# Altium PCB node24.PcbDoc (part 5 of 10) (continued)
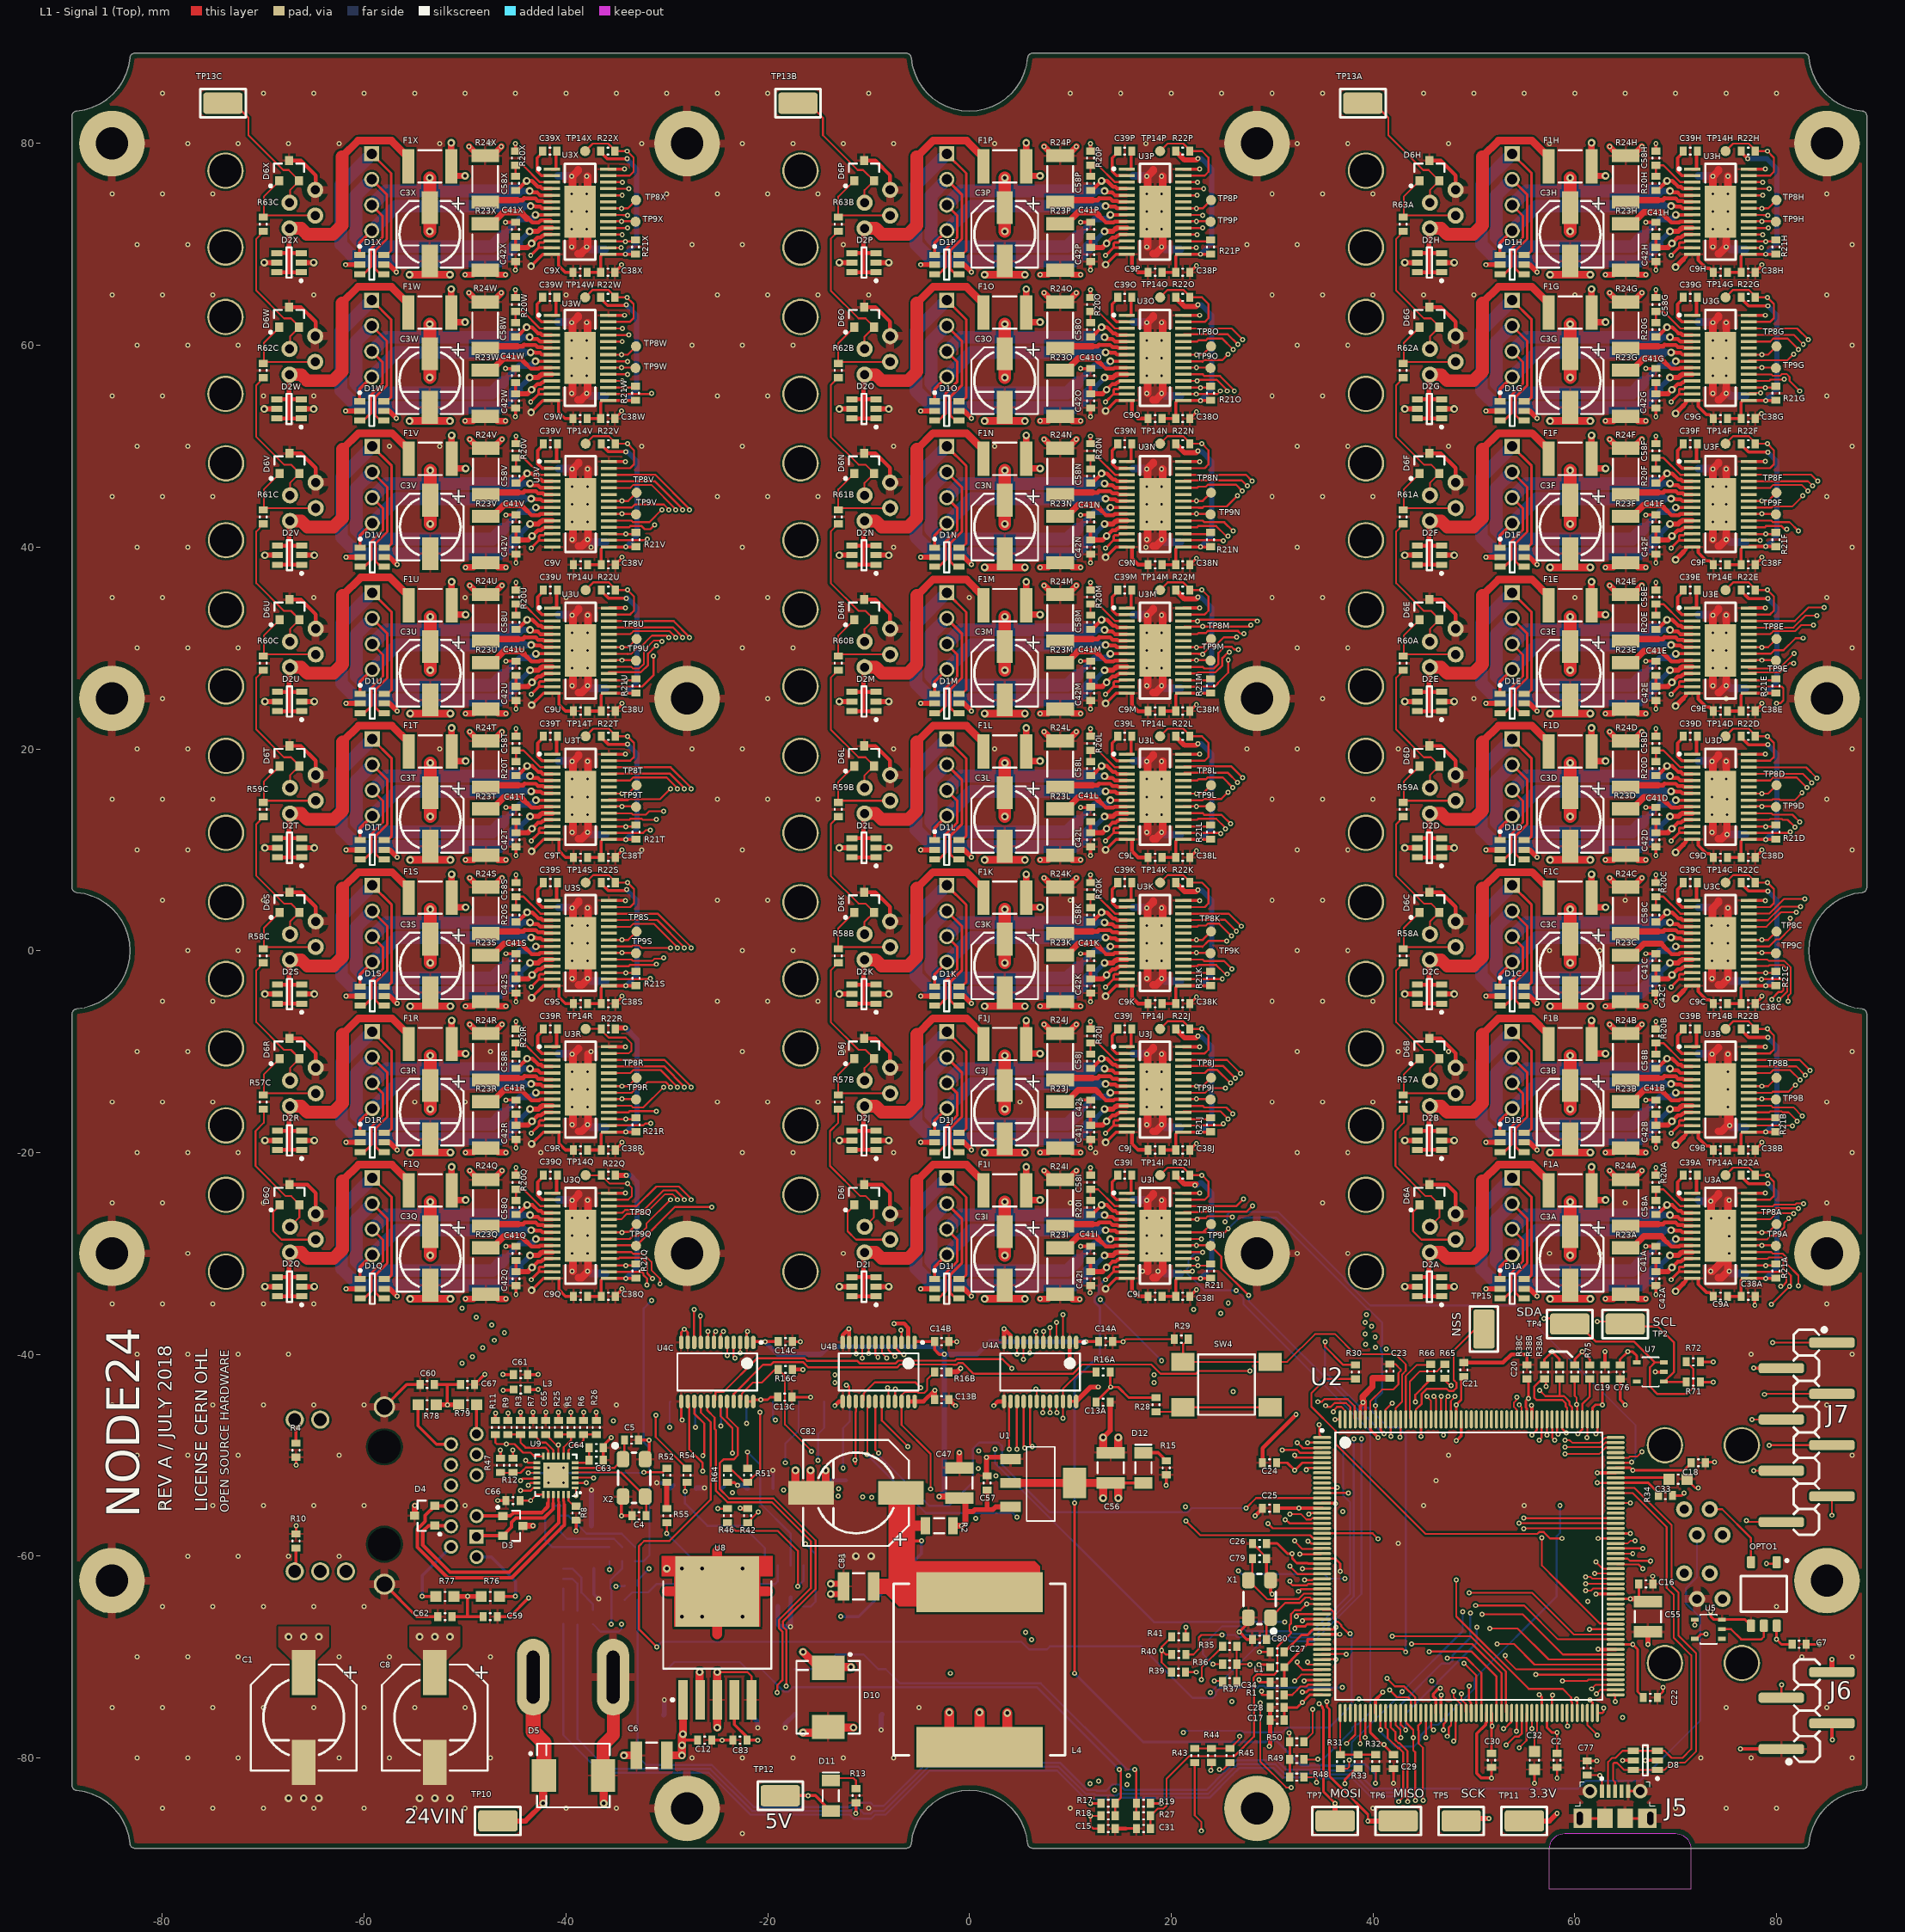
[diagram p0: L1 - Signal 1 (Top) view]
## Nets (pads, with @x,y where several pads share a name; then routed paths per layer and width w, separated by ;. In a path a pad name is that pad's centre, name@x,y a point inside that pad or via, vN(x,y) a via of type N, cw(c..) or ccw(c..) an arc to the next point about the centre after c; other vN are vias at no path point) (continued)
  L1 - Signal 1 (Top) w0.6: D4.3@-55,-56 v1(-55,-55) ; D3.3@-44.25,-57 v1(-43.25,-57) ; v2(-13.75,-63.75) C81.2@-12.75,-63.75 ; v2(-13.75,-62.75) C81.2@-12.75,-62.75 ; C47.2@-1,-51.25 v1(-1,-49.75)
  L1 - Signal 1 (Top) w0.635: v1(-50,52.5) -49.2,52.5 -48.75,52.95 R23W.2@-48,52.95 -47.25,52.95 -46.8,52.5 v1(-46,52.5) ; v1(-50,67) -49.2,67 -48.75,67.45 R23X.2@-48,67.45 -47.25,67.45 -46.8,67 v1(-46,67) ; v1(-49.95,-34.5) -49.15,-34.5 -48.7,-34.05 R23Q.2@-47.95,-34.05 -47.2,-34.05 -46.75,-34.5 v1(-45.95,-34.5) ; v1(-49.95,-20) -49.15,-20 -48.7,-19.55 R23R.2@-47.95,-19.55 -47.2,-19.55 -46.75,-20 v1(-45.95,-20) ; v1(-49.95,-5.5) -49.15,-5.5 -48.7,-5.05 R23S.2@-47.95,-5.05 -47.2,-5.05 -46.75,-5.5 v1(-45.95,-5.5) ; v1(-49.95,9) -49.15,9 -48.7,9.45 R23T.2@-47.95,9.45 -47.2,9.45 -46.75,9 v1(-45.95,9) ; v1(-49.95,23.5) -49.15,23.5 -48.7,23.95 R23U.2@-47.95,23.95 -47.2,23.95 -46.75,23.5 v1(-45.95,23.5) ; v1(-49.95,38) -49.15,38 -48.7,38.45 R23V.2@-47.95,38.45 -47.2,38.45 -46.75,38 v1(-45.95,38) ; v1(-49.6,65.2) -48.7,64.3 R24W.2@-48,64.3 -47.3,64.3 v1(-46.4,65.2) ; v1(-49.6,79.7) -48.7,78.8 R24X.2@-48,78.8 -47.3,78.8 v1(-46.4,79.7) ; v1(-49.55,-21.8) -48.65,-22.7 R24Q.2@-47.95,-22.7 -47.25,-22.7 v1(-46.35,-21.8) ; v1(-49.55,-7.3) -48.65,-8.2 R24R.2@-47.95,-8.2 -47.25,-8.2 v1(-46.35,-7.3) ; v1(-49.55,7.2) -48.65,6.3 R24S.2@-47.95,6.3 -47.25,6.3 v1(-46.35,7.2) ; v1(-49.55,21.7) -48.65,20.8 R24T.2@-47.95,20.8 -47.25,20.8 v1(-46.35,21.7) ; v1(-49.55,36.2) -48.65,35.3 R24U.2@-47.95,35.3 -47.25,35.3 v1(-46.35,36.2) ; v1(-49.55,50.7) -48.65,49.8 R24V.2@-47.95,49.8 -47.25,49.8 v1(-46.35,50.7) ; v1(7,-34.5) 7.8,-34.5 8.25,-34.05 R23I.2@9,-34.05 9.75,-34.05 10.244,-34.544 v1(10.922,-34.544) ; v1(7,-20) 7.8,-20 8.25,-19.55 R23J.2@9,-19.55 9.75,-19.55 10.2,-20 v1(11,-20) ; v1(7,-5.5) 7.8,-5.5 8.25,-5.05 R23K.2@9,-5.05 9.75,-5.05 10.2,-5.5 v1(11,-5.5) ; v1(7,9) 7.8,9 8.25,9.45 R23L.2@9,9.45 9.75,9.45 10.2,9 v1(11,9) ; v1(7,23.5) 7.8,23.5 8.25,23.95 R23M.2@9,23.95 9.75,23.95 10.2,23.5 v1(11,23.5) ; v1(7,38) 7.8,38 8.25,38.45 R23N.2@9,38.45 9.75,38.45 10.2,38 v1(11,38) ; v1(7,52.5) 7.8,52.5 8.25,52.95 R23O.2@9,52.95 9.75,52.95 10.2,52.5 v1(11,52.5) ; v1(7,67) 7.8,67 8.25,67.45 R23P.2@9,67.45 9.75,67.45 10.2,67 v1(11,67) ; v1(7.4,-21.8) 8.3,-22.7 R24I.2@9,-22.7 9.7,-22.7 v1(10.6,-21.8) ; v1(7.4,-7.3) 8.3,-8.2 R24J.2@9,-8.2 9.7,-8.2 v1(10.6,-7.3) ; v1(7.4,7.2) 8.3,6.3 R24K.2@9,6.3 9.7,6.3 v1(10.6,7.2) ; v1(7.4,21.7) 8.3,20.8 R24L.2@9,20.8 9.7,20.8 v1(10.6,21.7) ; v1(7.4,36.2) 8.3,35.3 R24M.2@9,35.3 9.7,35.3 v1(10.6,36.2) ; v1(7.4,50.7) 8.3,49.8 R24N.2@9,49.8 9.7,49.8 v1(10.6,50.7) ; v1(7.4,65.2) 8.3,64.3 R24O.2@9,64.3 9.7,64.3 v1(10.6,65.2) ; v1(7.4,79.7) 8.3,78.8 R24P.2@9,78.8 9.7,78.8 v1(10.6,79.7) ; v1(63.05,-34.5) 63.85,-34.5 64.3,-34.05 R23A.2@65.05,-34.05 65.8,-34.05 66.25,-34.5 v1(67.05,-34.5) ; v1(63.05,-20) 63.85,-20 64.3,-19.55 R23B.2@65.05,-19.55 65.8,-19.55 66.25,-20 v1(67.05,-20) ; v1(63.05,-5.5) 63.85,-5.5 64.3,-5.05 R23C.2@65.05,-5.05 65.8,-5.05 66.25,-5.5 v1(67.05,-5.5) ; v1(63.05,9) 63.85,9 64.3,9.45 R23D.2@65.05,9.45 65.8,9.45 66.25,9 v1(67.05,9) ; v1(63.05,23.5) 63.85,23.5 64.3,23.95 R23E.2@65.05,23.95 65.8,23.95 66.25,23.5 v1(67.05,23.5) ; v1(63.05,38) 63.85,38 64.3,38.45 R23F.2@65.05,38.45 65.8,38.45 66.25,38 v1(67.05,38) ; v1(63.05,52.5) 63.85,52.5 64.3,52.95 R23G.2@65.05,52.95 65.8,52.95 66.25,52.5 v1(67.05,52.5) ; v1(63.05,67) 63.85,67 64.3,67.45 R23H.2@65.05,67.45 65.8,67.45 66.25,67 v1(67.05,67) ; v1(63.45,-21.8) 64.35,-22.7 R24A.2@65.05,-22.7 65.75,-22.7 v1(66.65,-21.8) ; v1(63.45,-7.3) 64.35,-8.2 R24B.2@65.05,-8.2 65.75,-8.2 v1(66.65,-7.3) ; v1(63.45,7.2) 64.35,6.3 R24C.2@65.05,6.3 65.75,6.3 v1(66.65,7.2) ; v1(63.45,21.7) 64.35,20.8 R24D.2@65.05,20.8 65.75,20.8 v1(66.65,21.7) ; v1(63.45,36.2) 64.35,35.3 R24E.2@65.05,35.3 65.75,35.3 v1(66.65,36.2) ; v1(63.45,50.7) 64.35,49.8 R24F.2@65.05,49.8 65.75,49.8 v1(66.65,50.7) ; v1(63.45,65.2) 64.35,64.3 R24G.2@65.05,64.3 65.75,64.3 v1(66.65,65.2) ; v1(63.45,79.7) 64.35,78.8 R24H.2@65.05,78.8 65.75,78.8 v1(66.65,79.7)
  L1 - Signal 1 (Top) w0.762: v2(-55.5,52.5) v2(-51.5,52.5) ; v2(-55.5,67) v2(-51.5,67) ; v2(-55.45,-34.5) v2(-51.45,-34.5) ; v2(-55.45,-20) v2(-51.45,-20) ; v2(-55.45,-5.5) v2(-51.45,-5.5) ; v2(-55.45,9) v2(-51.45,9) ; v2(-55.45,23.5) v2(-51.45,23.5) ; v1@-39.35,55.25 -39.35,58.75 U3W.29@-38.6,58.75 -39.35,59.5 -39.35,62.25 -38.8,62.8 -38.8,62.9 ; v1@-39.35,69.75 -39.35,73.25 U3X.29@-38.6,73.25 -39.35,74 -39.35,76.75 -38.8,77.3 -38.8,77.4 ; v1@-39.3,-31.75 -39.3,-28.25 U3Q.29@-38.55,-28.25 -39.3,-27.5 -39.3,-24.75 -38.75,-24.2 -38.75,-24.1 ; v1@-39.3,-17.25 -39.3,-13.75 U3R.29@-38.55,-13.75 -39.3,-13 -39.3,-10.25 -38.75,-9.7 ; v1@-39.3,-2.75 -39.3,0.75 U3S.29@-38.55,0.75 -39.3,1.5 -39.3,4.25 -38.75,4.8 -38.75,4.9 ; v1@-39.3,11.75 -39.3,15.25 U3T.29@-38.55,15.25 -39.3,16 -39.3,18.75 -38.75,19.3 -38.75,19.4 ; v1@-39.3,26.25 -39.3,29.75 U3U.29@-38.55,29.75 -39.3,30.5 -39.3,33.25 -38.75,33.8 -38.75,33.9 ; v1@-39.3,40.75 -39.3,44.25 U3V.29@-38.55,44.25 -39.3,45 -39.3,47.75 -38.75,48.3 -38.75,48.4 ; -38.8,54.6 -38.5,54.6 -37.85,55.25 v1@-37.85,62.25 ; -38.8,69.1 -38.5,69.1 -37.85,69.75 v1@-37.85,76.75 ; -38.75,-32.4 -38.45,-32.4 -37.8,-31.75 v1@-37.8,-24.75 ; -38.75,-17.9 -38.45,-17.9 -37.8,-17.25 -37.8,-10.25 ; -38.75,-3.4 -38.45,-3.4 -37.8,-2.75 v1@-37.8,4.25 ; -38.75,11.1 -38.45,11.1 -37.8,11.75 -37.8,15.25 v1@-37.8,18.75 ; -38.75,25.6 -38.45,25.6 -37.8,26.25 v1@-37.8,33.25 ; -38.75,40.1 -38.45,40.1 -37.8,40.75 v1@-37.8,47.75 ; v2(1.5,-34.5) v2(5.5,-34.5) ; v2(1.5,-20) v2(5.5,-20) ; v2(1.5,-5.5) v2(5.5,-5.5) ; v2(1.5,9) v2(5.5,9) ; v2(1.5,23.5) v2(5.5,23.5) ; v2(1.5,38) v2(5.5,38) ; v2(1.5,52.5) v2(5.5,52.5) ; v2(1.5,67) v2(5.5,67) ; 17.65,-31.75 17.65,-28.25 U3I.29@18.4,-28.25 17.65,-27.5 17.65,-24.75 18.2,-24.2 18.2,-24.1 ; v1@17.65,-17.25 17.65,-13.75 U3J.29@18.4,-13.75 17.65,-13 17.65,-10.25 18.2,-9.7 18.2,-9.6 ; v1@17.65,-2.75 17.65,0.75 U3K.29@18.4,0.75 17.65,1.5 17.65,4.25 18.2,4.8 18.2,4.9 ; v1@17.65,11.75 17.65,15.25 U3L.29@18.4,15.25 17.65,16 17.65,18.75 18.2,19.3 18.2,19.4 ; v1@17.65,26.25 17.65,29.75 U3M.29@18.4,29.75 17.65,30.5 17.65,33.25 18.2,33.8 18.2,33.9 ; v1@17.65,40.75 17.65,44.25 U3N.29@18.4,44.25 17.65,45 17.65,47.75 18.2,48.3 18.2,48.4 ; v1@17.65,55.25 17.65,58.75 U3O.29@18.4,58.75 17.65,59.5 17.65,62.25 18.2,62.8 18.2,62.9 ; v1@17.65,69.75 17.65,73.25 U3P.29@18.4,73.25 17.65,74 17.65,76.75 18.2,77.3 18.2,77.4 ; 18.2,-32.4 18.5,-32.4 19.15,-31.75 v1@19.15,-24.75 ; 18.2,-17.9 18.5,-17.9 19.15,-17.25 v1@19.15,-10.25 ; 18.2,-3.4 18.5,-3.4 19.15,-2.75 v1@19.15,4.25 ; 18.2,11.1 18.5,11.1 19.15,11.75 19.15,17 v1@19.15,18.75 ; 18.2,25.6 18.5,25.6 19.15,26.25 19.15,29.75 v1@19.15,33.25 ; 18.2,40.1 18.5,40.1 19.15,40.75 v1@19.15,47.75 ; 18.2,54.6 18.5,54.6 19.15,55.25 19.15,58.75 v1@19.15,62.25 ; 18.2,69.1 18.5,69.1 19.15,69.75 19.15,75 v1@19.15,76.75 ; v2(57.55,-34.5) v2(61.55,-34.5) ; v2(57.55,-20) v2(61.55,-20) ; v2(57.55,-5.5) v2(61.55,-5.5) ; v2(57.55,9) v2(61.55,9) ; v2(57.55,23.5) v2(61.55,23.5) ; v2(57.55,38) v2(61.55,38) ; v2(57.55,52.5) v2(61.55,52.5) ; v2(57.55,67) v2(61.55,67) ; v1(73.482,-31.775) 73.645,-31.775 75.163,-30.257 75.163,-29.743 U3A.29@73.691,-28.27 ; v1(73.482,-24.816) v1@73.634,-24.816 ; v1(73.62,-2.769) 73.62,0.7 73.625,0.706 v1(73.625,0.737) 74.437,0.737 U3C.29@74.45,0.75 73.584,1.616 v1(73.584,2.489) 73.635,2.54 73.635,4.185 74.25,4.8 74.25,4.9 ; U3A.29@73.685,-28.265 U3A.29@73.691,-28.27 ; v1@73.7,11.75 73.7,13.5 73.685,13.515 73.685,15.215 74.415,15.215 U3D.29@74.45,15.25 73.7,16 73.7,18.75 74.25,19.3 74.25,19.4 ; v1(73.7,26.25) v1(73.7,28) v1(73.7,29.75) U3E.29@74.45,29.75 73.7,30.5 v1(73.7,31.5) v1(73.7,33.25) 74.25,33.8 74.25,33.9 ; v1(73.7,40.75) v1(73.7,42.5) v1(73.7,44.25) U3F.29@74.45,44.25 73.7,45 v1(73.7,46) v1(73.7,47.75) 74.25,48.3 74.25,48.4 ; v1(73.7,55.25) v1(73.7,57) v1(73.7,58.75) U3G.29@74.45,58.75 73.7,59.5 v1(73.7,60.5) v1(73.7,62.25) 74.25,62.8 74.25,62.9 ; v1(73.7,69.75) v1(73.7,71.5) v1(73.7,73.25) U3H.29@74.45,73.25 73.7,74 v1(73.7,75) v1(73.7,76.75) 74.25,77.3 74.25,77.4 ; 74.25,-32.4 74.55,-32.4 75.2,-31.75 v1@75.2,-24.75 ; 74.25,-24.1 74.25,-24.2 v1@73.634,-24.816 ; 74.25,-17.9 74.55,-17.9 75.127,-17.323 v1(75.362,-17.323) 75.362,-15.662 v1(75.2,-15.5) v1(75.2,-13.75) v1(75.2,-12) v1(75.2,-10.25) ; 74.25,-9.6 74.25,-9.62 v1(73.609,-10.262) 73.609,-11.888 73.584,-11.913 73.685,-12.014 U3B.29@74.657,-12.014 ; 74.25,-3.4 74.55,-3.4 v1(75.2,-2.75) v1(75.2,-1) v1(75.2,0.75) v1(75.2,2.5) v1(75.2,4.25) ; 74.25,11.1 74.55,11.1 74.956,11.506 v1(75.082,11.506) v1(75.082,13.487) v1(75.082,15.011) 75.082,16.917 v1(75,17) v1(75,18.75) ; 74.25,25.6 74.35,25.6 v1(75,26.25) v1(75,28) v1(75,29.75) v1(75,31.5) v1(75,33.25) ; 74.25,40.1 74.35,40.1 v1(75,40.75) v1(75,42.5) v1(75,44.25) v1(75,46) v1(75,47.75) ; 74.25,54.6 74.35,54.6 v1(75,55.25) v1(75,57) v1(75,58.75) v1(75,60.5) v1(75,62.25) ; 74.25,69.1 74.35,69.1 v1(75,69.75) 75,71.3 v1(75.2,71.5) v1(75.2,73.25) v1(75.2,75) v1(75.2,76.75) ; U3A.29@75.163,-28.27 U3A.29@74.43,-28.27 ; v1@75.163,-17.272 75.163,-13.767 74.433,-13.767 U3B.29@74.45,-13.75 73.685,-12.985 U3B.29@74.657,-12.014 ; U3B.29@75.163,-12.014 U3B.29@74.657,-12.014 ; v1@73.634,-24.816 73.508,-24.942 v1(73.508,-26.518) 73.508,-27.308 U3A.29@74.45,-28.25 U3A.29@74.43,-28.27 ; U3A.29@73.691,-28.27 U3A.29@74.43,-28.27
  L1 - Signal 1 (Top) w0.8: D5.1@-36.325,-81.75 -36.25,-81.825 v2(-36.25,-84.5) ; v2(-34.25,-79.75) -33,-79.75 C6.2@-32.999,-79.749 ; v2(-25,-77) U8.3@-25,-74.25 v2(-25,-71.5) ; C82.2@-17.25,-52.748 v2(-17.25,-51.5) ; v2(-16.5,-77.5) D10.1@-14.575,-77.5 ; v2(-15.75,-51.5) -15.75,-53.7 C82.2@-15.7,-53.75 ; C82.2@-14.25,-52.75 v2(-14.25,-51.5) ; D10.1@-13.925,-77 v2(-11.5,-77) ; C81.2@-12.75,-62.75 C81.2@-12.5,-63 ; C56.2@13.25,-49.25 v2(13.25,-48.25) ; C56.2@14.75,-49.25 v2(14.75,-48.25)
  L1 - Signal 1 (Top) w1: -30,-63.5 U8.6@-25,-63.5 ; -25,-67.75 U8.6@-25,-63.5 ; -25,-59.5 U8.6@-25,-63.5 ; -20,-63.5 U8.6@-25,-63.5
  L1 - Signal 1 (Top) w1.27: D5.1@-36.325,-81.75 -36.325,-78.743 -35.306,-77.724 -35.306,-72.019 J8.2@-35.325,-72
  L6 - Signal 4 (Bot) w0.3: LED2.1@-37.225,-61.25 LED2.2@-37.225,-62.25 LED2.3@-37.225,-63.25 -37.225,-63.775 v1(-36.75,-64.25) ; v1(-19.5,-51.5) -19.48,-51.52 SW1.4@-19.48,-53.3
  L6 - Signal 4 (Bot) w0.4: v1(-31,-52.75) -29.95,-52.75 -29.64,-53.06 SW1.8@-29.64,-53.3 SW1.8@-29.3,-52.96 ; SW1.6@-24.56,-53.3 SW1.6@-24.347,-53.087 ; J2.3@-17.73,-65 J2.3@-17.73,-64.075 ; v2(-17.25,-51.5) -17.25,-52.5 -16.94,-52.81 SW1.3@-16.94,-53.3 ; SW1.2@-14.25,-52.5 SW1.1@-12.25,-52.5
  L6 - Signal 4 (Bot) w0.5: LED1.3@-37.475,-57 LED1.2@-37.475,-56 LED1.1@-37.475,-55 -37.475,-53.477 v1(-37.465,-53.467) ; SW2.4@-30.325,-75.75 -30.25,-75.675 v1(-30.25,-74.25) ; SW1.7@-27.1,-53.3 -27.05,-53.25 v1(-26.25,-53.25) ; v1(-23,-53) -22.32,-53 SW1.5@-22.02,-53.3 ; v2(-22.5,-66) J2.9@-21.54,-66 ; SW2.3@-21.675,-75.75 -21,-76.425 v1(-21,-77) ; J2.5@-19,-65 -19,-66.75 -18.75,-67 v3(-17.73,-67) J2.3@-17.73,-65 ; v1(-18.25,-77) -18.25,-76.625 SW3.4@-17.325,-75.7 ; v1(-8.75,-77.25) -8.75,-75.775 SW3.3@-8.675,-75.7
  L6 - Signal 4 (Bot) w0.762: -40.8,62.3 -39.4,62.3 v1@-39.35,62.25 ; -40.8,76.8 -39.4,76.8 v1@-39.35,76.75 ; -40.75,-24.7 -39.35,-24.7 v1@-39.3,-24.75 ; -40.75,-10.2 -39.35,-10.2 v1@-39.3,-10.25 ; -40.75,4.3 -39.35,4.3 v1@-39.3,4.25 ; -40.75,18.8 -39.35,18.8 v1@-39.3,18.75 ; -40.75,33.3 -39.35,33.3 v1@-39.3,33.25 ; -40.75,47.8 -39.35,47.8 v1@-39.3,47.75 ; v1@-37.85,55.25 -37.6,55 -36.1,55 ; v1@-37.85,69.75 -37.6,69.5 -36.1,69.5 ; v1@-37.8,-31.75 -37.55,-32 -36.05,-32 ; v1@-37.8,-17.25 -37.55,-17.5 -36.05,-17.5 ; v1@-37.8,-2.75 -37.55,-3 -36.05,-3 ; v1@-37.8,11.75 -37.55,11.5 -36.05,11.5 ; v1@-37.8,26.25 -37.55,26 -36.05,26 ; v1@-37.8,40.75 -37.55,40.5 -36.05,40.5 ; 16.2,-24.7 17.6,-24.7 v1@17.65,-24.75 ; 16.2,-10.2 17.6,-10.2 v1@17.65,-10.25 ; 16.2,4.3 17.6,4.3 v1@17.65,4.25 ; 16.2,18.8 17.6,18.8 v1@17.65,18.75 ; 16.2,33.3 17.6,33.3 v1@17.65,33.25 ; 16.2,47.8 17.6,47.8 v1@17.65,47.75 ; 16.2,62.3 17.6,62.3 v1@17.65,62.25 ; 16.2,76.8 17.6,76.8 v1@17.65,76.75 ; 19.15,-31.75 19.4,-32 20.9,-32 ; v1@19.15,-17.25 19.4,-17.5 20.9,-17.5 ; v1@19.15,-2.75 19.4,-3 20.9,-3 ; v1@19.15,11.75 19.4,11.5 20.9,11.5 ; v1@19.15,26.25 19.4,26 20.9,26 ; v1@19.15,40.75 19.4,40.5 20.9,40.5 ; v1@19.15,55.25 19.4,55 20.9,55 ; v1@19.15,69.75 19.4,69.5 20.9,69.5 ; 72.25,-24.7 72.366,-24.816 v1(73.482,-24.816) ; 72.25,-10.2 73.547,-10.2 v1(73.609,-10.262) ; 72.25,4.3 73.348,4.3 73.635,4.013 ; 72.25,18.8 73.65,18.8 v1@73.7,18.75 ; 72.25,33.3 73.65,33.3 v1(73.7,33.25) ; 72.25,47.8 73.65,47.8 v1(73.7,47.75) ; 72.25,62.3 73.65,62.3 v1(73.7,62.25) ; 72.25,76.8 73.65,76.8 v1(73.7,76.75) ; v1(75,26.25) 75.2,26.25 75.45,26 76.95,26 ; v1(75,40.75) 75.2,40.75 75.45,40.5 76.95,40.5 ; v1(75,55.25) 75.2,55.25 75.45,55 76.95,55 ; v1(75,69.75) 75.2,69.75 75.45,69.5 76.95,69.5 ; v1(75.082,11.506) 76.944,11.506 76.95,11.5 ; v1@75.2,-31.75 75.45,-32 76.95,-32 ; v1(75.2,-2.75) 75.45,-3 76.95,-3 ; v1(75.362,-17.323) 75.539,-17.5 76.95,-17.5
  L6 - Signal 4 (Bot) w0.8: SW1.2@-14.25,-52.5 v2(-14.25,-51.5)
  other v1: -22.5,-87.5 -80,-85 -75,-85 -70,-85 -65,-85 -60,-85 -55,-85 -50,-85 -40,-85 -35,-85 -10,-85 10,-85 40,-85 70,-85 75,-85 80,-85 -82.5,-80 -77.5,-80 -72.5,-80 -62.5,-80 -57.5,-80 -47.5,-80 -27.5,-80 -22.5,-80 -17.5,-80 -12.5,-80 -7.5,-80 72.5,-80 77.5,-80 87.5,-80 -85,-75 -80,-75 -75,-75 -70,-75 -65,-75 -60,-75 -55,-75 -50,-75 -5,-75 75,-75 85,-75 -82.5,-70 -77.5,-70 -72.5,-70 -62.5,-70 -57.5,-70 -47.5,-70 82.5,-70 87.5,-70 -80,-65 -75,-65 -70,-65 -65,-65 -60,-65 80,-65 -77.5,-60 -72.5,-60 -67.5,-60 -62.5,-60 -12.5,-60 42.5,-58.75 -85,-55 -80,-55 -75,-55 -70,-55 -65,-55 -60,-55 -50,-55 45,-55 55,-55 46.25,-52.5 -82.5,-50 -77.5,-50 -72.5,-50 -62.5,-50 47.5,-50 87.5,-50 -85,-45 -80,-45 -75,-45 -70,-45 -65,-45 -60,-45 -40,-45 -35,-45 85,-45 -82.5,-40 -77.5,-40 -72.5,-40 -67.5,-40 77.5,-40 87.5,-40 3.429,-37.465 -85,-35 -80,-35 -75,-35 -70,-35 -65,-35 85,-35 -39.4,-31.75 -37.875,-31.75 17.145,-31.75 18.669,-31.75 75.302,-31.75 -77.5,-30 -39.4,-30 -37.875,-30 -12.5,-30 17.575,-30 19.05,-30 32.5,-30 37.5,-30 57.5,-30 62.5,-30 75.302,-30 75.311,-28.296 -39.4,-28.25 -37.875,-28.25 17.575,-28.25 19.05,-28.25 -39.4,-26.5 -37.875,-26.5 17.575,-26.5 19.05,-26.5 75.302,-26.5 -85,-25 -80,-25 -70,-25 10,-25 35,-25 65,-25 85,-25 -39.4,-24.75 -37.875,-24.75 17.575,-24.75 19.05,-24.75 75.302,-24.75 -82.5,-20 -77.5,-20 -72.5,-20 -42.5,-20 -32.5,-20 -22.5,-20 -17.5,-20 -7.5,-20 12.5,-20 32.5,-20 37.5,-20 87.5,-20 -39.4,-17.25 -37.875,-17.25 17.575,-17.25 19.05,-17.25 -39.4,-15.5 -37.875,-15.5 17.575,-15.5 19.05,-15.5 -85,-15 -80,-15 -75,-15 -55,-15 -50,-15 -25,-15 -20,-15 -15,-15 5,-15 30,-15 35,-15 40,-15 85,-15 -39.4,-13.75 -37.875,-13.75 17.575,-13.75 19.05,-13.75 -39.4,-12 -37.875,-12 17.575,-12 19.05,-12 -39.4,-10.25 17.575,-10.25 19.05,-10.25 -82.5,-10 -77.5,-10 -47.5,-10 -37.5,-10 -22.5,-10 -12.5,-10 32.5,-10 42.5,-10 47.5,-10 87.5,-10 -80,-5 -75,-5 -25,-5 -20,-5 -15,-5 30,-5 35,-5 40,-5 -39.4,-2.75 -37.875,-2.75 17.575,-2.75 19.05,-2.75 73.623,-1.016 -39.4,-1 -37.875,-1 17.575,-1 19.05,-1 -77.5,0 -72.5,0 -22.5,0 -17.5,0 32.5,0 37.5,0 57.5,0 62.5,0 -39.4,0.75 -37.875,0.75 17.575,0.75 19.05,0.75 -39.4,2.5 -37.875,2.5 17.575,2.5 19.05,2.5 -39.4,4.25 -37.875,4.25 17.575,4.25 19.05,4.25 -80,5 -70,5 -25,5 -20,5 10,5 30,5 35,5 65,5 -82.5,10 -77.5,10 -32.5,10 -22.5,10 32.5,10 37.5,10 87.5,10 -39.4,11.75 -37.875,11.75 17.575,11.75 19.05,11.75 73.624,11.75 -39.4,13.5 -37.875,13.5 17.575,13.5 19.05,13.5 73.624,13.5 -85,15 -80,15 -75,15 -25,15 -20,15 -15,15 30,15 35,15 40,15 85,15 73.609,15.215 -39.4,15.25 -37.875,15.25 17.575,15.25 19.05,15.25 -39.4,17 -37.875,17 17.575,17 19.05,17 73.624,17 -39.4,18.75 -37.875,18.75 17.575,18.75 19.05,18.75 73.624,18.75 -82.5,20 -77.5,20 -52.5,20 -27.5,20 -22.5,20 -7.5,20 2.5,20 27.5,20 32.5,20 42.5,20 87.5,20 -80,25 -20,25 35,25 50,25 75,25 -39.4,26.25 -37.875,26.25 17.575,26.25 19.05,26.25 -39.4,28 -37.875,28 17.575,28 19.05,28 -39.4,29.75 -37.875,29.75 17.575,29.75 19.05,29.75 -82.5,30 -77.5,30 -72.5,30 -22.5,30 -17.5,30 32.5,30 37.5,30 87.5,30 -39.4,31.5 -37.875,31.5 17.575,31.5 19.05,31.5 -39.4,33.25 -37.875,33.25 17.575,33.25 19.05,33.25 -85,35 -80,35 -65,35 -50,35 -40,35 -25,35 -20,35 0,35 30,35 35,35 60,35 85,35 -82.5,40 -77.5,40 -37.5,40 -22.5,40 -7.5,40 17.5,40 32.5,40 87.5,40 -39.4,40.75 -37.875,40.75 17.575,40.75 19.05,40.75 -39.4,42.5 -37.875,42.5 17.575,42.5 19.05,42.5 -39.4,44.25 -37.875,44.25 17.575,44.25 19.05,44.25 -85,45 -80,45 -75,45 -25,45 -20,45 -15,45 30,45 35,45 40,45 85,45 -39.4,46 -37.875,46 17.575,46 19.05,46 -39.4,47.75 -37.875,47.75 17.575,47.75 19.05,47.75 -82.5,50 -77.5,50 -57.5,50 -52.5,50 -32.5,50 -22.5,50 -7.5,50 2.5,50 17.5,50 32.5,50 37.5,50 47.5,50 87.5,50 -85,55 -80,55 -70,55 -65,55 -25,55 -20,55 30,55 35,55 85,55 -39.45,55.25 -37.925,55.25 17.575,55.25 19.05,55.25 -39.45,57 -37.925,57 17.575,57 19.05,57 -39.45,58.75 -37.925,58.75 17.575,58.75 19.05,58.75 -82.5,60 -77.5,60 -72.5,60 -27.5,60 -22.5,60 -17.5,60 32.5,60 37.5,60 87.5,60 -39.45,60.5 -37.925,60.5 17.575,60.5 19.05,60.5 -39.45,62.25 -37.925,62.25 17.575,62.25 19.05,62.25 -85,65 -80,65 -75,65 -65,65 -40,65 -25,65 -20,65 -15,65 -10,65 30,65 35,65 40,65 45,65 50,65 60,65 85,65 -39.45,69.75 -37.925,69.75 17.575,69.75 19.05,69.75 -82.5,70 -77.5,70 -27.5,70 -22.5,70 -12.5,70 27.5,70 32.5,70 87.5,70 -39.45,71.5 -37.925,71.5 17.575,71.5 19.05,71.5 -39.45,73.25 -37.925,73.25 17.575,73.25 19.05,73.25 -85,75 -80,75 -75,75 -39.45,75 -37.925,75 -30,75 -25,75 -20,75 -15,75 17.575,75 19.05,75 30,75 35,75 40,75 85,75 -39.45,76.75 -37.925,76.75 17.575,76.75 19.05,76.75 -77.5,80 -72.5,80 -67.5,80 -62.5,80 -52.5,80 -47.5,80 -32.5,80 -22.5,80 -17.5,80 -12.5,80 -7.5,80 2.5,80 17.5,80 32.5,80 37.5,80 47.5,80 57.5,80 -80,85 -70,85 -65,85 -60,85 -55,85 -50,85 -45,85 -40,85 -35,85 -30,85 -25,85 -20,85 -10,85 10,85 15,85 20,85 25,85 30,85 35,85 45,85 50,85 55,85 60,85 65,85 70,85 75,85 80,85
  other v2: -67.5,-84 -66,-84 -64.5,-84 -54.5,-84 -53,-84 -51.5,-84 -28.5,-66 -26.5,-66 -30,-61.25 -28.5,-61.25 -26.5,-61.25 -22.5,-61.25 -11.25,-60 -9.75,-60 -69.9,53.7 -65,53.7 -69.9,68.2 -65,68.2
  other v3: -41.75,-52.75 -40.25,-52.75 -41.75,-51.25 -40.25,-51.25
DRV-3V3A: C9A.2 C38A.2 R21A.2 R22A.2 U3A.15 | length 19.8
  L1 - Signal 1 (Top) w0.305: C9A.2@75.15,-34.25 C38A.2@76.5,-34.25 76.5,-32.65 76.675,-32.475 U3A.15@77.25,-32.475 v1(78.95,-32.475) 79.875,-32.475 79.9,-32.5 R21A.2@79.95,-32.45 ; R22A.2@76.5,-22.25 76.5,-22.35 77.239,-23.089 v1(79.146,-23.089)
  L6 - Signal 4 (Bot) w0.508: v1(78.95,-32.475) 80.05,-31.375 80.05,-24 79.146,-23.096 v1(79.146,-23.089)
DRV-3V3B: C9B.2 C38B.2 R21B.2 R22B.2 U3B.15 | length 19.8
  L1 - Signal 1 (Top) w0.305: C9B.2@75.15,-19.75 C38B.2@76.5,-19.75 76.5,-18.15 76.675,-17.975 U3B.15@77.25,-17.975 v1(78.95,-17.975) 79.875,-17.975 79.9,-18 R21B.2@79.95,-17.95 ; R22B.2@76.5,-7.75 76.5,-7.85 77.239,-8.589 v1(79.146,-8.589)
  L6 - Signal 4 (Bot) w0.508: v1(78.95,-17.975) 80.05,-16.875 80.05,-9.5 v1@79.146,-8.596
DRV-3V3C: C9C.2 C38C.2 R21C.2 R22C.2 U3C.15 | length 19.7
  L1 - Signal 1 (Top) w0.305: C9C.2@75.15,-5.25 C38C.2@76.5,-5.25 76.5,-3.65 76.675,-3.475 U3C.15@77.25,-3.475 v1(78.95,-3.475) 79.875,-3.475 79.9,-3.5 R21C.2@79.95,-3.45 ; R22C.2@76.5,6.65 77.239,5.911 v1(79.146,5.911)
  L6 - Signal 4 (Bot) w0.508: v1(78.95,-3.475) 80.05,-2.375 80.05,5 v1@79.146,5.904
DRV-3V3D: C9D.2 C38D.2 R21D.2 R22D.2 U3D.15 | length 19.7
  L1 - Signal 1 (Top) w0.305: C9D.2@75.15,9.25 C38D.2@76.5,9.25 76.5,10.85 76.675,11.025 U3D.15@77.25,11.025 v1(78.95,11.025) 79.875,11.025 79.9,11 R21D.2@79.95,11.05 ; R22D.2@76.5,21.15 77.239,20.411 v1(79.146,20.411)
  L6 - Signal 4 (Bot) w0.508: v1(78.95,11.025) 80.05,12.125 80.05,19.5 v1@79.146,20.404
DRV-3V3E: C9E.2 C38E.2 R21E.2 R22E.2 U3E.15 | length 19.7
  L1 - Signal 1 (Top) w0.305: C9E.2@75.15,23.75 C38E.2@76.5,23.75 76.5,25.35 76.675,25.525 U3E.15@77.25,25.525 v1(78.95,25.525) 79.875,25.525 79.9,25.5 R21E.2@79.95,25.55 ; R22E.2@76.5,35.65 77.239,34.911 v1(79.146,34.911)
  L6 - Signal 4 (Bot) w0.508: v1(78.95,25.525) 80.05,26.625 80.05,34 v1@79.146,34.904
DRV-3V3F: C9F.2 C38F.2 R21F.2 R22F.2 U3F.15 | length 19.7
  L1 - Signal 1 (Top) w0.305: C9F.2@75.15,38.25 C38F.2@76.5,38.25 76.5,39.85 76.675,40.025 U3F.15@77.25,40.025 77.294,40.069 v1(78.95,40.069) 79.831,40.069 79.9,40 R21F.2@79.95,40.05 ; R22F.2@76.5,50.15 77.239,49.411 v1(79.146,49.411)
  L6 - Signal 4 (Bot) w0.508: v1(78.95,40.069) 78.994,40.069 80.05,41.125 80.05,48.5 v1@79.146,49.404
DRV-3V3G: C9G.2 C38G.2 R21G.2 R22G.2 U3G.15 | length 19.7
  L1 - Signal 1 (Top) w0.305: C9G.2@75.15,52.75 C38G.2@76.5,52.75 76.5,54.35 76.675,54.525 U3G.15@77.25,54.525 v1(78.95,54.525) 79.875,54.525 79.9,54.5 R21G.2@79.95,54.55 ; R22G.2@76.5,64.65 77.239,63.911 v1(79.146,63.911)
  L6 - Signal 4 (Bot) w0.508: v1(78.95,54.525) 80.05,55.625 80.05,63 v1@79.146,63.904
DRV-3V3H: C9H.2 C38H.2 R21H.2 R22H.2 U3H.15 | length 19.8
  L1 - Signal 1 (Top) w0.305: C9H.2@75.15,67.25 C38H.2@76.5,67.25 76.5,68.85 76.675,69.025 U3H.15@77.25,69.025 v1(78.95,69.025) 79.875,69.025 79.9,69 R21H.2@79.95,69.05 ; R22H.2@76.5,79.25 76.5,79.15 v1(77.15,78.5)
  L6 - Signal 4 (Bot) w0.508: v1(77.15,78.5) 79.05,78.5 80.05,77.5 80.05,70.125 v1(78.95,69.025)
DRV-3V3I: C9I.2 C38I.2 R21I.2 R22I.2 U3I.15 | length 20.3
  L1 - Signal 1 (Top) w0.305: C9I.2@19.1,-34.25 C38I.2@20.45,-34.25 20.45,-32.65 20.625,-32.475 U3I.15@21.2,-32.475 v1(22.9,-32.475) 23.825,-32.475 23.85,-32.5 R21I.2@23.9,-32.45
  L1 - Signal 1 (Top) w0.508: R22I.2@20.45,-22.25 20.45,-22.264 21.32,-23.134 22.491,-23.134 22.384,-23.241 v1(22.352,-23.241)
  L6 - Signal 4 (Bot) w0.508: v1(22.352,-23.241) 22.617,-23.241 22.883,-22.975 22.954,-23.046 23,-23 24,-24 24,-31.375 v1(22.9,-32.475)
DRV-3V3J: C9J.2 C38J.2 R21J.2 R22J.2 U3J.15 | length 19.9
  L1 - Signal 1 (Top) w0.305: C9J.2@19.1,-19.75 C38J.2@20.45,-19.75 20.45,-18.15 20.625,-17.975 U3J.15@21.2,-17.975 v1(22.9,-17.975) 23.825,-17.975 23.85,-18 R21J.2@23.9,-17.95
  L1 - Signal 1 (Top) w0.508: R22J.2@20.45,-7.75 20.45,-7.764 21.32,-8.634 22.491,-8.634 v1(22.65,-8.475)
  L6 - Signal 4 (Bot) w0.508: v1(22.65,-8.475) 22.883,-8.475 22.954,-8.546 23,-8.5 24,-9.5 24,-16.875 v1(22.9,-17.975)
DRV-3V3K: C9K.2 C38K.2 R21K.2 R22K.2 U3K.15 | length 19.9
  L1 - Signal 1 (Top) w0.305: C9K.2@19.1,-5.25 C38K.2@20.45,-5.25 20.45,-3.65 20.625,-3.475 U3K.15@21.2,-3.475 v1(22.9,-3.475) 23.825,-3.475 23.85,-3.5 R21K.2@23.9,-3.45
  L1 - Signal 1 (Top) w0.508: R22K.2@20.45,6.75 20.45,6.736 21.32,5.866 22.491,5.866 v1(22.65,6.025)
  L6 - Signal 4 (Bot) w0.508: v1(22.65,6.025) 22.883,6.025 22.954,5.954 23,6 24,5 24,-2.375 v1(22.9,-3.475)
DRV-3V3L: C9L.2 C38L.2 R21L.2 R22L.2 U3L.15 | length 19.9
  L1 - Signal 1 (Top) w0.305: C9L.2@19.1,9.25 C38L.2@20.45,9.25 20.45,10.85 20.625,11.025 U3L.15@21.2,11.025 v1(22.9,11.025) 23.825,11.025 23.85,11 R21L.2@23.9,11.05
  L1 - Signal 1 (Top) w0.508: R22L.2@20.45,21.25 20.45,21.236 21.32,20.366 22.491,20.366 v1(22.65,20.525)
  L6 - Signal 4 (Bot) w0.508: v1(22.65,20.525) 22.883,20.525 22.954,20.454 23,20.5 24,19.5 24,12.125 v1(22.9,11.025)
DRV-3V3M: C9M.2 C38M.2 R21M.2 R22M.2 U3M.15 | length 19.9
  L1 - Signal 1 (Top) w0.305: C9M.2@19.1,23.75 C38M.2@20.45,23.75 20.45,25.35 20.625,25.525 U3M.15@21.2,25.525 v1(22.9,25.525) 23.825,25.525 23.85,25.5 R21M.2@23.9,25.55
  L1 - Signal 1 (Top) w0.508: R22M.2@20.45,35.75 20.45,35.736 21.32,34.866 22.491,34.866 v1(22.65,35.025)
  L6 - Signal 4 (Bot) w0.508: v1(22.65,35.025) 22.883,35.025 22.954,34.954 23,35 24,34 24,26.625 v1(22.9,25.525)
DRV-3V3N: C9N.2 C38N.2 R21N.2 R22N.2 U3N.15 | length 19.9
  L1 - Signal 1 (Top) w0.305: C9N.2@19.1,38.25 C38N.2@20.45,38.25 20.45,39.85 20.625,40.025 U3N.15@21.2,40.025 v1(22.9,40.025) 23.825,40.025 23.85,40 R21N.2@23.9,40.05
  L1 - Signal 1 (Top) w0.508: R22N.2@20.45,50.25 20.45,50.236 21.32,49.366 22.491,49.366 v1(22.65,49.525)
  L6 - Signal 4 (Bot) w0.508: v1(22.65,49.525) 22.883,49.525 22.954,49.454 23,49.5 24,48.5 24,41.125 v1(22.9,40.025)
DRV-3V3O: C9O.2 C38O.2 R21O.2 R22O.2 U3O.15 | length 19.9
  L1 - Signal 1 (Top) w0.305: C9O.2@19.1,52.75 C38O.2@20.45,52.75 20.45,54.35 20.625,54.525 U3O.15@21.2,54.525 v1(22.9,54.525) 23.825,54.525 23.85,54.5 R21O.2@23.9,54.55
  L1 - Signal 1 (Top) w0.508: R22O.2@20.45,64.75 20.45,64.736 21.32,63.866 22.491,63.866 v1(22.65,64.025)
  L6 - Signal 4 (Bot) w0.508: v1(22.65,64.025) 22.883,64.025 22.954,63.954 23,64 24,63 24,55.625 v1(22.9,54.525)